# KiCad board d-lev-main-rounded.kicad_pcb (continued)
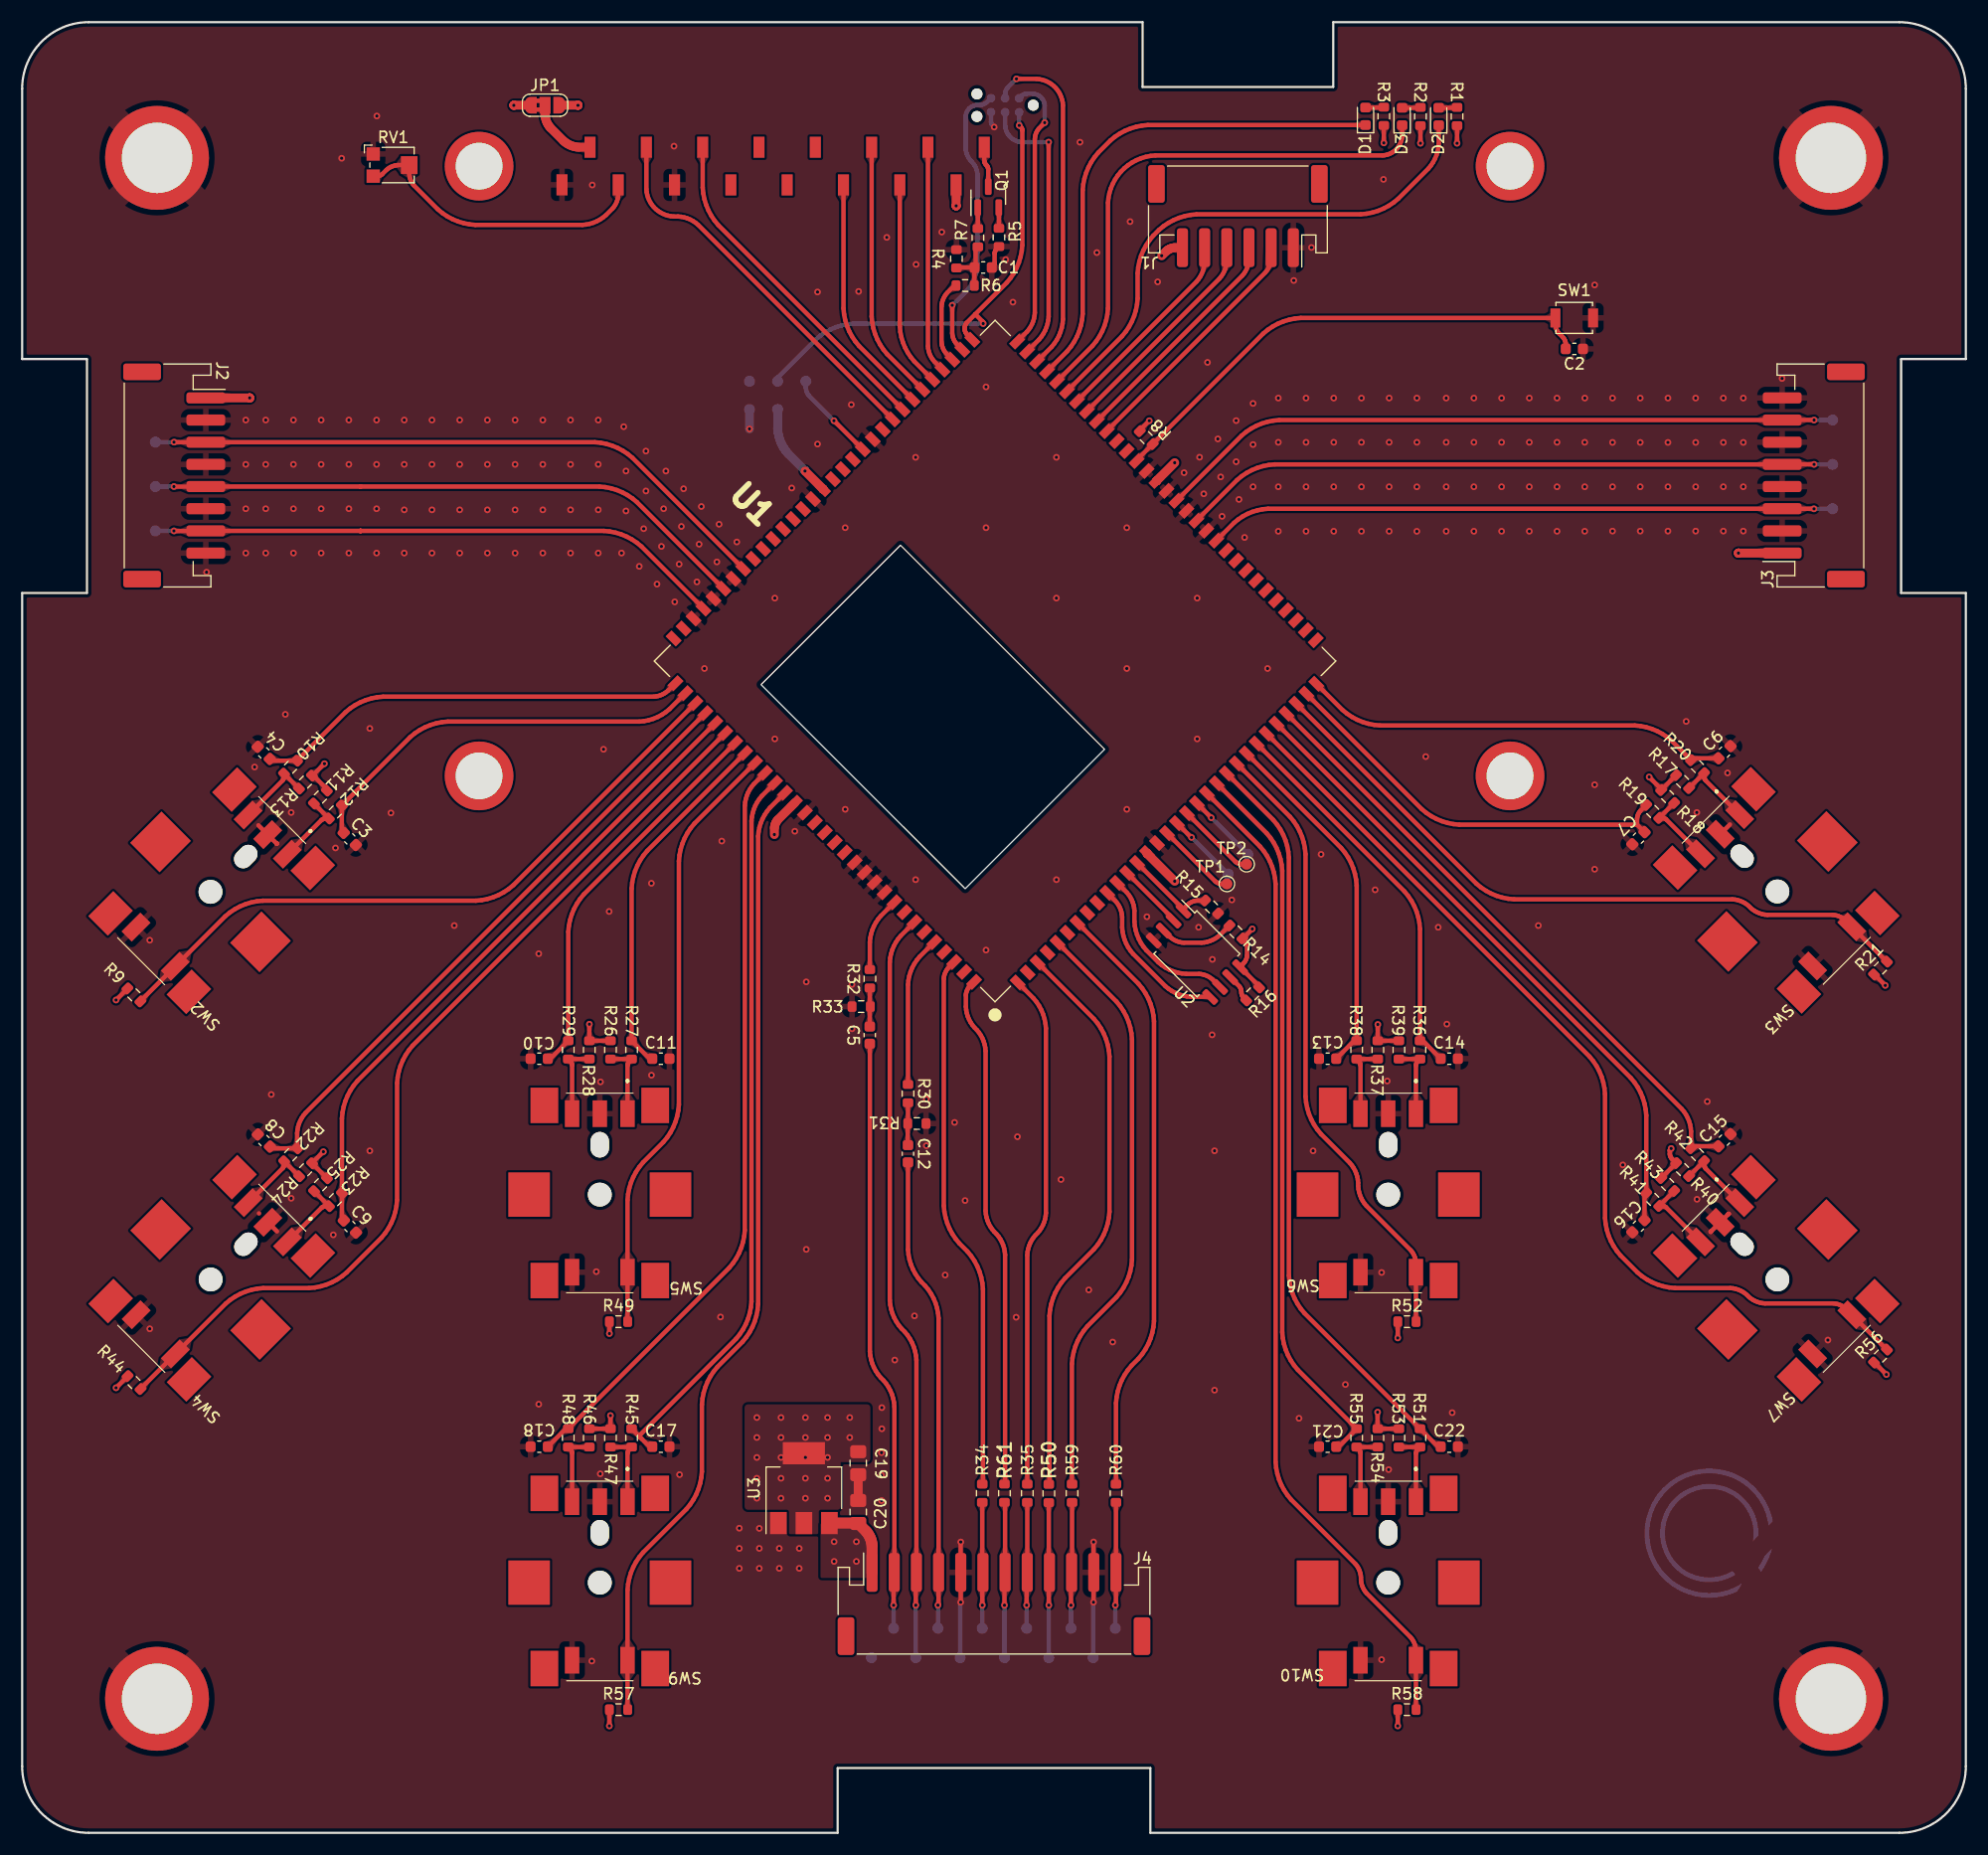
[diagram p0: board, top side]
## Nets
+2V5: J5.1 TP3.1 U1.63
+3V3: C19.1 JP1.1 R1.2 R2.2 R3.2 R8.2 R9.1 R11.1 R13.1 R14.2 R16.2 R17.1 R18.1 R21.1 R24.1 R25.1 R26.1 R28.1 R37.1 R39.1 R40.1 R43.1 R44.1 R46.1 R47.1 R49.1 R52.1 R53.1 R54.1 R56.1 R57.1 R58.1 TP7.1 U1.14 U1.48 U1.78 U1.106 U2.8 U3.2
GND: C1.2 C2.2 C3.2 C4.2 C6.2 C7.2 C8.2 C9.2 C10.2 C11.2 C13.2 C14.2 C15.2 C16.2 C17.2 C18.2 C19.2 C20.2 C21.2 C22.2 DS1.1 DS1.5 H1.1 H2.1 H7.1 H8.1 J1.1 J2.2 J2.4 J2.6 J2.8 J3.2 J3.4 J3.6 J3.8 J4.5 J4.11 J5.5 R4.1 R5.1 R15.2 R31.1 R33.1 RV1.1 SW1.2 SW2.C SW2.S2 SW3.C SW3.S2 SW4.C SW4.S2 SW5.C SW5.S2 SW6.C SW6.S2 SW7.C SW7.S2 SW9.C SW9.S2 SW10.C SW10.S2 TP5.1 TP14.1 TP20.1 U1.15 U1.43 U1.45 U1.47 U1.49 U1.73 U1.79 U1.87 U1.89 U1.91 U1.107 U1.112 U1.113 U1.114 U1.115 U2.4 U3.1
VDD: C20.1 DS1.15 J1.6 J2.1 J3.1 J4.1 JP1.3 TP4.1 TP10.1 U3.3
/encoder1/A1: R23.2 R25.2 SW4.A
/encoder1/B1: R22.2 R24.2 SW4.B
/encoder2/A1: R26.2 R27.2 SW5.A
/encoder2/B1: R28.2 R29.2 SW5.B
/encoder3/A1: R45.2 R47.2 SW9.A
/encoder3/B1: R46.2 R48.2 SW9.B
/encoder4/A1: R17.2 R20.2 SW3.A
/encoder4/B1: R18.2 R19.2 SW3.B
/encoder5/A1: R40.2 R42.2 SW7.A
/encoder5/B1: R41.2 R43.2 SW7.B
/encoder6/A1: R36.2 R39.2 SW6.A
/encoder6/B1: R37.2 R38.2 SW6.B
/encoder7/A1: R51.2 R53.2 SW10.A
/encoder7/B1: R54.2 R55.2 SW10.B
/encoder/A1: R11.2 R12.2 SW2.A
/encoder/B1: R10.2 R13.2 SW2.B
/FPGA/enc_1.a: C3.1 R12.1 U1.95
/FPGA/enc_1.b: C4.1 R10.1 U1.94
/FPGA/enc_1.s: R9.2 SW2.S1 U1.96
/FPGA/enc_2.a: C9.1 R23.1 U1.98
/FPGA/enc_2.b: C8.1 R22.1 U1.97
/FPGA/enc_2.s: R44.2 SW4.S1 U1.99
/FPGA/enc_3.a: C11.1 R27.1 U1.101
/FPGA/enc_3.b: C10.1 R29.1 U1.100
/FPGA/enc_3.s: R49.2 SW5.S1 U1.102
/FPGA/enc_4.a: C17.1 R45.1 U1.104
/FPGA/enc_4.b: C18.1 R48.1 U1.103
/FPGA/enc_4.s: R57.2 SW9.S1 U1.105
/FPGA/enc_5.a: C6.1 R20.1 U1.31
/FPGA/enc_5.b: C7.1 R19.1 U1.30
/FPGA/enc_5.s: R21.2 SW3.S1 U1.29
/FPGA/enc_6.a: C15.1 R42.1 U1.28
/FPGA/enc_6.b: C16.1 R41.1 U1.27
/FPGA/enc_6.s: R56.2 SW7.S1 U1.26
/FPGA/enc_7.a: C14.1 R36.1 U1.25
/FPGA/enc_7.b: C13.1 R38.1 U1.24
/FPGA/enc_7.s: R52.2 SW6.S1 U1.23
/FPGA/enc_8.a: C22.1 R51.1 U1.22
/FPGA/enc_8.b: C21.1 R55.1 U1.21
/FPGA/enc_8.s: R58.2 SW10.S1 U1.20
/FPGA/gpio_i2: TP9.1 U1.19
/FPGA/gpio_i3: TP2.1 U1.18
/FPGA/gpio_o2: TP8.1 U1.17
/FPGA/gpio_o3: TP1.1 U1.16
/FPGA/lcd.data0: DS1.11 U1.69
/FPGA/lcd.data1: DS1.12 U1.68
/FPGA/lcd.data2: DS1.13 U1.67
/FPGA/lcd.data3: DS1.14 U1.66
/FPGA/lcd.e: DS1.6 U1.70
/FPGA/lcd.pwm: R6.1 U1.65
/FPGA/lcd.rs: DS1.4 U1.71
/FPGA/led1: D2.1 U1.57
/FPGA/led2: D3.1 U1.58
/FPGA/led3: D1.1 U1.59
/FPGA/mem_spi.cl: U1.11 U2.6
/FPGA/mem_spi.cs: R15.1 U1.13 U2.1
/FPGA/mem_spi.di: U1.10 U2.5
/FPGA/mem_spi.do: U1.12 U2.2
/FPGA/pitch.quad: J2.3 TP27.1 U1.86
/FPGA/pitch.sq: J2.5 TP26.1 U1.88
/FPGA/pitch.zero: J2.7 TP25.1 U1.90
/FPGA/TCK: J5.4 U1.60
/FPGA/TDI: J5.3 U1.61
/FPGA/TDO: J5.6 U1.64
/FPGA/TMS: J5.2 U1.62
/FPGA/tuner.le: J1.3 U1.54
/FPGA/tuner.oe: J1.2 U1.53
/FPGA/tuner.scl: J1.5 U1.56
/FPGA/tuner.sda: J1.4 U1.55
/FPGA/vol.quad: J3.3 TP24.1 U1.42
/FPGA/vol.sq: J3.5 TP23.1 U1.44
/FPGA/vol.zero: J3.7 TP22.1 U1.46
/FPGA/~{reset}: C2.1 R8.1 SW1.1 U1.50
/LCD/backlight_cathode: DS1.16 Q1.3
/LCD/VLCD: DS1.2 JP1.2
/spdif_tx_0: R30.1 U1.120
/spdif_tx_1: R32.1 U1.116
acal_btn: R50.2 U1.3
midi_in: R60.2 U1.7
midi_out: R59.2 U1.5
mute_btn: R61.2 U1.124
mute_led: J4.3 TP12.1 U1.118
spdif_line: C12.2 J4.4 TP13.1
spdif_mon: C5.2 J4.2 TP11.1
uart_rx: R35.2 U1.1
uart_tx: R34.2 U1.122
Net-(C1-Pad1): C1.1 R4.2 R6.2 R7.1
Net-(C5-Pad1): C5.1 R32.2 R33.2
Net-(C12-Pad1): C12.1 R30.2 R31.2
Net-(D1-A): D1.2 R3.1
Net-(D2-A): D2.2 R1.1
Net-(D3-A): D3.2 R2.1
Net-(DS1-V0): DS1.3 RV1.2 RV1.3
Net-(J4-Pin_6): J4.6 R34.1 TP15.1
Net-(J4-Pin_7): J4.7 R61.1 TP16.1
Net-(J4-Pin_8): J4.8 R35.1 TP17.1
Net-(J4-Pin_9): J4.9 R50.1 TP18.1
Net-(J4-Pin_10): J4.10 R59.1 TP19.1
Net-(J4-Pin_12): J4.12 R60.1 TP21.1
Net-(Q1-B): Q1.1 R7.2
Net-(Q1-E): Q1.2 R5.2
Net-(U1-VDD1.2): TP6.1 U1.74
Net-(U2-~{HOLD}): R16.1 U2.7
Net-(U2-~{WP}): R14.1 U2.3

Pads without a net: DS1 7 8 9 10; H3 1; H4 1; H5 1; H6 1; J1 MP1 MP2; J2 MP1 MP2; J3 MP1 MP2; J4 MP1 MP2; SW2 MP1 MP2 MP3 MP4 MP5 MP6; SW3 MP1 MP2 MP3 MP4 MP5 MP6; SW4 MP1 MP2 MP3 MP4 MP5 MP6; SW5 MP1 MP2 MP3 MP4 MP5 MP6; SW6 MP1 MP2 MP3 MP4 MP5 MP6; SW7 MP1 MP2 MP3 MP4 MP5 MP6; SW9 MP1 MP2 MP3 MP4 MP5 MP6; SW10 MP1 MP2 MP3 MP4 MP5 MP6; U1 2 4 6 8 9 32 33 34 35 36 37 38 39 40 41 51 52 72 75 76 77 80 81 82 83 84 85 92 93 108 109 110 111 117 119 121 123

## Via types
v1: diameter 0.6, hole 0.3, Top to Bottom, 382 vias

## Routing (per net, layer and track width the routed paths; a pad name or vN(x,y) marks a point on that pad's centre or on a via; arc(x,y) is an arc through that point)
+2V5: length 44.5
  Top w0.4: 86.69,136.14 86.69,136.22 86.69,136.23 86.69,136.24 86.68,136.26 86.68,136.27 86.67,136.29 86.66,136.3 86.65,136.31 85.97,136.99 ; 85.97,136.99 85.22,136.24 85.17,136.18 85.13,136.11 85.09,136.04 85.06,135.97 85.04,135.9 85.02,135.82 85.02,135.74 85.02,135.67 85.02,135.59 85.04,135.51 85.06,135.44 85.09,135.37 85.13,135.3 85.17,135.23 85.22,135.17 85.71,134.68 ; 85.97,136.99 88.82,139.83 89.16,140.24 89.45,140.69 89.71,141.16 89.91,141.65 90.07,142.17 90.17,142.69 90.22,143.22 90.22,153.56 90.22,153.61 90.21,153.66 90.19,153.7 90.18,153.74 90.15,153.78 90.13,153.82 90.1,153.86 89.94,154.02
  Bottom w0.4: 86.69,136.14 75.01,136.14 74.48,136.09 73.96,135.99 73.45,135.83 72.95,135.63 72.48,135.38 72.04,135.08 71.62,134.74 68.25,131.37 68.23,131.34 68.21,131.31 68.19,131.27 68.17,131.24 68.16,131.2 68.15,131.16 68.15,131.12 68.15,130.94 ; J5.1 89.94,154.02 89.94,154.02
  vias: v1(86.69,136.14) v1(89.94,154.02)
+3V3: length 70.1
  Top w0.4: R3.2 v1(122.83,152.44) ; 9.51,41.18 8.48,40.14 v1(8.47,40.14) ; 122.29,36.45 R53.1 ; 27.5,59.05 26.15,60.4 ; 51.16,71.47 51.16,72.93 v1(51.17,72.94) ; 51.17,71.45 R26.1 ; R1.2 v1(129.44,152.41) ; 110.08,80.68 110.31,80.45 110.35,80.4 110.39,80.34 110.42,80.28 110.45,80.21 110.47,80.15 110.49,80.08 110.49,80.01 110.49,79.16 110.48,79.05 110.46,78.94 110.43,78.84 110.38,78.73 110.34,78.64 110.28,78.56 110.21,78.48 110.14,78.4 110.09,78.32 110.05,78.24 110.03,78.15 110.03,78.06 110.05,77.97 110.09,77.89 110.14,77.82 111.58,76.37 ; 26.13,60.41 27.17,61.44 27.17,61.44 ; v1(122.29,72.92) 122.29,72.91 122.29,71.45 R39.1 ; 52.98,45.04 52.97,45.04 52.97,46.23 ; v1(53.07,37.64) 53.07,37.64 R47.1 51.17,36.45 ; 124.09,46.11 124.09,44.65 v1(124.09,44.64) ; R43.1 149.02,60.23 149.07,60.35 149.07,60.48 149.02,60.6 148.82,60.79 148.77,60.85 148.73,60.91 148.7,60.97 148.67,61.04 148.65,61.11 148.63,61.18 148.63,61.26 148.63,61.53 148.63,61.55 148.63,61.57 148.64,61.59 148.65,61.61 148.66,61.63 148.67,61.64 148.68,61.66 148.75,61.73 ; R18.1 149.2,95.41 ; R2.2 v1(126.13,152.41) ; 27.48,94.15 26.23,95.41 27.26,96.44 v1(27.27,96.44) ; 100.81,126.52 101.68,127.38 ; 124.09,11.11 124.09,9.65 v1(124.09,9.64) ; v1(8.47,75.12) 8.48,75.13 9.51,76.16 ; 52.97,11.11 52.97,9.65 v1(52.97,9.64) ; 122.27,37.95 122.27,37.94 122.27,36.48 ; 147.8,94.2 146.77,95.23 v1(146.77,95.24) ; v1(168.07,76.44) 168.07,76.45 167.03,77.48 ; v1(168.17,41.34) 168.17,41.35 167.13,42.38 ; v1(110.97,81.54) 110.97,81.53 110.13,80.7
  Top w0.8: U1.78 72.24,121.22 v1(70.62,122.84) ; 102.33,121.95 102.33,121.95 v1(103.97,123.59) ; JP1.1 44.37,155.84 44.36,155.84 44.35,155.83 ; v1(103.97,85.84) 101.49,88.32 101.48,88.33 101.48,88.34 101.48,88.35 101.48,88.36 101.48,88.38 ; v1(67.86,90.05) 67.86,90.62 67.87,90.74 67.89,90.86 67.93,90.98 67.97,91.09 68.03,91.2 68.1,91.3 68.17,91.39 69.71,92.93
  Bottom w0.8: v1(70.62,122.84) 70.62,122.86 70.61,122.88 70.61,122.89 70.6,122.89 69.1,124.4 68.87,124.68 68.67,124.98 68.5,125.3 68.36,125.63 68.26,125.98 68.19,126.33 68.15,126.69 68.15,128.4
  vias: v1(27.17,61.44) v1(44.35,155.83) v1(52.97,45.04) v1(66.27,37.46) v1(66.27,35.66) v1(66.27,33.86) v1(66.27,31.99) v1(66.27,30.19) v1(68.45,37.46) v1(68.45,35.66) v1(68.45,33.86) v1(68.45,31.99) v1(68.45,30.19) v1(70.65,37.46) v1(70.65,35.66) v1(70.65,33.86) v1(70.65,31.99) v1(70.65,30.19) v1(72.65,37.46) v1(72.65,35.66) v1(72.65,33.86) v1(72.65,31.99) v1(72.65,30.19) v1(74.65,37.46) v1(74.65,35.66) v1(101.68,127.38) v1(122.27,37.95) v1(148.75,61.73)
GND: length 35.5
  Top w0.4: 96.64,23.55 96.64,26.22 96.64,26.23 v1(96.65,26.23) ; SW4.C 22.99,54.25 ; 84.66,20.8 84.67,20.81 J4.5 ; 21.36,55.88 21.36,55.88 ; 153.95,55.83 153.93,55.83 153.92,55.82 153.91,55.82 152.33,54.23 152.33,54.23 ; SW3.C 154.05,90.96 ; v1(84.67,26.23) 84.66,26.22 84.66,23.55 ; C1.2 87.61,141.34 87.64,141.38 87.66,141.41 87.68,141.45 87.7,141.49 87.71,141.53 87.72,141.57 87.72,141.61 87.72,142.46 87.73,142.52 87.74,142.59 87.76,142.65 87.79,142.71 87.82,142.77 87.85,142.82 87.89,142.87 R5.1 ; v1(96.64,20.8) 96.65,20.81 96.65,23.49 ; 21.31,90.88 22.96,89.23 22.96,89.23
  Top w0.8: C20.2 75.42,32.3
  Bottom w0.4: v1(84.66,20.8) 84.63,20.78 84.62,20.76 84.61,20.75 84.61,20.73 84.61,20.72 TP14.1 ; 87.68,153.87 87.52,154.03 87.49,154.07 87.47,154.11 87.44,154.15 87.42,154.2 87.41,154.24 87.4,154.29 87.4,154.34 J5.5 ; v1(96.64,20.8) 96.62,20.79 96.61,20.77 96.61,20.76 96.61,20.75 TP20.1
  Bottom w0.8: 65.61,128.4 65.61,126.64
  vias: v1(11.51,80.52) v1(11.51,45.47) v1(16.63,113.72) v1(20.17,127.44) v1(20.17,123.44) v1(20.17,119.44) v1(20.17,115.44) v1(20.97,96.14) v1(21.97,127.44) v1(21.97,123.44) v1(21.97,119.44) v1(21.97,115.44) v1(22.47,66.6) v1(23.74,100.89) v1(24.27,92.04) v1(24.27,57.24) v1(24.47,127.44) v1(24.47,123.44) v1(24.47,119.44) v1(24.47,115.44) v1(26.97,127.44) v1(26.97,123.44) v1(26.97,119.44) v1(26.97,115.44) v1(28.07,53.94) v1(28.27,88.84) v1(28.82,151.06) v1(29.47,127.44) v1(29.47,123.44) v1(29.47,119.44) v1(29.47,115.44) v1(31.36,99.62) v1(31.36,61.52) v1(31.99,154.87) v1(31.97,127.44) v1(31.97,123.44) v1(31.97,119.44) v1(31.97,115.44) v1(33.27,92) v1(34.47,127.44) v1(34.47,123.44) v1(34.47,119.34) v1(34.47,115.44) v1(36.97,127.44) v1(36.97,123.44) v1(36.97,119.34) v1(36.97,115.44) v1(38.98,81.84) v1(39.47,127.44) v1(39.47,123.44) v1(39.47,119.34) v1(39.47,115.44) v1(41.97,127.44) v1(41.97,123.44) v1(41.97,119.34) v1(41.97,115.44) v1(44.47,127.44) v1(44.47,123.44) v1(44.47,119.34) v1(44.47,115.44) v1(46.6,79.3) v1(46.6,38.66) v1(46.97,127.44) v1(46.97,123.44) v1(46.97,119.34) v1(46.97,115.44) v1(49.47,127.44) v1(49.47,123.44) v1(49.47,119.34) v1(49.47,115.44) v1(51.38,15.49) v1(51.43,148.64) v1(51.79,50.62) v1(51.97,127.44) v1(51.97,123.44) v1(51.97,119.34) v1(51.97,115.44) v1(52.17,67.74) v1(52.15,32.39) v1(52.44,97.74) v1(52.95,83.11) v1(54.07,115.44) v1(54.27,126.84) v1(54.47,122.84) v1(54.47,119.24) v1(55.67,114.24) v1(56.07,117.64) v1(56.27,124.64) v1(56.27,121.04) v1(56.76,85.65) v1(56.77,68.34) v1(57.27,112.64) v1(57.67,116.04) v1(57.87,119.44) v1(58.07,122.84) v1(58.8,152.15) v1(58.87,111.04) v1(59.27,114.44) v1(59.3,32.31) v1(59.47,117.84) v1(59.67,121.24) v1(60.87,112.84) v1(61.07,116.24) v1(61.27,119.64) v1(61.54,105.03) v1(62.67,114.64) v1(62.87,118.04) v1(62.99,46.53) v1(63.11,89.46) v1(64.47,116.44) v1(64.69,27.48) v1(64.69,25.65) v1(64.69,23.85) v1(65.61,126.64) v1(66.5,27.46) v1(66.5,25.65) v1(66.49,23.85) v1(67.89,111.38) v1(67.89,98.68) v1(68.3,25.65) v1(68.3,23.85) v1(69.42,121.31) v1(69.7,90.35) v1(70.09,25.65) v1(70.09,23.85) v1(70.73,76.76) v1(70.73,52.63) v1(71.75,138.99) v1(71.75,125.28) v1(74.24,117.73) v1(74.24,92.33) v1(74.79,128.83) v1(74.85,76.53) v1(74.86,72.53) v1(75.45,139.04) v1(77.55,38.35) v1(77.55,36.45) v1(77.52,34.29) v1(77.52,32.26) v1(77.52,29.97) v1(77.99,143.92) v1(78.72,42.65) v1(80.49,46.63) v1(80.59,124.08) v1(80.59,85.98) v1(80.64,141.48) v1(81.56,66.18) v1(81.56,61.98) v1(82.96,144.4) v1(83.26,50.32) v1(84.11,64.08) v1(85.06,57.04) v1(86.94,130.43) v1(86.94,117.73) v1(86.94,79.63) v1(87.68,153.87) v1(88.72,141.91) v1(89.37,138.08) v1(89.66,46.51) v1(89.78,62.79) v1(93.29,124.08) v1(93.29,111.38) v1(93.29,85.98) v1(93.71,58.93) v1(95.42,152.5) v1(96.22,48.97) v1(96.94,142.55) v1(98.37,44.27) v1(99.64,117.73) v1(99.64,105.03) v1(99.64,92.33) v1(99.94,145.34) v1(101.46,82.64) v1(102.43,139.91) v1(104.81,122.69) v1(105.99,111.38) v1(105.99,98.68) v1(106.12,81.69) v1(106.21,124.09) v1(106.59,120.79) v1(106.93,132.64) v1(107.37,78.79) v1(107.34,71.98) v1(107.56,61.52) v1(107.56,39.93) v1(107.86,125.74) v1(108.11,122.31) v1(108.24,118.76) v1(109.12,84.15) v1(109.51,127.39) v1(109.51,123.68) v1(109.76,120.28) v1(110.27,116.85) v1(111.03,128.94) v1(111.03,125.23) v1(111.03,121.42) v1(112.34,105.03) v1(113.31,129.42) v1(113.31,125.44) v1(113.31,121.42) v1(113.31,117.41) v1(114.71,140.03) v1(115.18,37.39) v1(115.81,129.42) v1(115.81,125.44) v1(115.81,121.42) v1(115.81,117.41) v1(116.31,143) v1(116.45,61.52) v1(117.17,88.27) v1(118.31,129.42) v1(118.31,125.44) v1(118.31,121.42) v1(118.31,117.41) v1(119.37,40.44) v1(120.81,129.42) v1(120.81,125.44) v1(120.81,121.42) v1(120.81,117.41) v1(122.05,85.07) v1(122.63,50.55) v1(122.63,15.62) v1(122.8,149.15) v1(123.14,67.82) v1(123.27,32.77) v1(123.31,129.42) v1(123.31,125.44) v1(123.31,121.42) v1(123.31,117.41) v1(125.81,129.42) v1(125.81,125.44) v1(125.81,121.42) v1(125.81,117.4) v1(126.61,97.08) v1(127.74,81.69) v1(128.46,129.42) v1(128.46,125.44) v1(128.46,121.42) v1(128.46,117.41) v1(128.51,72.95) v1(129,37.9) v1(130.96,129.42) v1(130.96,125.44) v1(130.96,121.42) v1(130.96,117.41) v1(133.46,129.42) v1(133.46,125.44) v1(133.46,121.42) v1(133.46,117.41) v1(135.96,129.42) v1(135.96,125.44) v1(135.96,121.42) v1(135.96,117.41) v1(136.77,81.84) v1(138.46,129.42) v1(138.46,125.44) v1(138.46,121.42) v1(138.46,117.41) v1(140.96,129.42) v1(140.96,125.44) v1(140.96,121.42) v1(140.96,117.41) v1(141.85,139.63) v1(141.85,94.54) v1(141.85,86.92) v1(143.46,129.42) v1(143.46,125.42) v1(143.46,121.42) v1(143.46,117.42) v1(144.39,60.25) v1(145.96,129.42) v1(145.96,125.42) v1(145.96,121.42) v1(145.96,117.42) v1(148.46,129.42) v1(148.46,125.42) v1(148.46,121.42) v1(148.46,117.42) v1(150.1,100.26) v1(150.96,129.42) v1(150.96,125.42) v1(150.96,121.42) v1(150.96,117.42) v1(151.07,92.04) v1(151.08,57.15) v1(152.01,65.97) v1(153.46,129.42) v1(153.46,125.42) v1(153.46,121.42) v1(153.46,117.42) v1(153.84,95.61) v1(155.26,129.42) v1(155.26,125.42) v1(155.26,121.42) v1(155.26,117.42) v1(158.76,131.19) v1(162.89,44.45)
VDD: length 21
  Top w0.8: 84.25,146.76 84.25,146.77 84.25,148.65 ; v1(20.52,129.44) 20.52,129.44 16.58,129.44 ; J1.6 103.97,142.99 103.85,142.98 103.73,142.96 103.62,142.92 103.5,142.87 103.4,142.82 103.3,142.75 103.2,142.67 102.8,142.27 ; J3.1 154.82,115.44 v1(154.82,115.44) ; v1(50.14,155.83) 50.13,155.84 50.12,155.84 JP1.3
  Top w1: 75.42,27.9 76.12,27.2 76.25,27.04 76.37,26.87 76.46,26.68 76.54,26.49 76.61,26.29 76.65,26.08 76.67,25.88 J4.1 ; U3.3 75.38,27.94
  vias: v1(73.24,26.26) v1(73.24,24.48) v1(75.25,26.26) v1(75.25,24.48) v1(84.25,146.76) v1(102.79,142.27)
/encoder1/A1: length 6.7
  Top w0.4: R25.2 27.5,56.71 27.52,56.68 27.53,56.65 27.52,56.62 27.51,56.59 27.49,56.56 27.46,56.54 27.43,56.53 27.37,56.53 27.32,56.53 27.27,56.52 27.22,56.51 27.15,56.47 27.09,56.45 27.04,56.41 26.99,56.37 SW4.A
/encoder1/B1: length 6.7
  Top w0.4: 24.98,59.23 23.8,60.41 23.77,60.43 23.74,60.43 23.71,60.43 23.69,60.42 23.66,60.4 23.65,60.38 23.64,60.35 23.64,60.28 23.63,60.24 23.62,60.19 23.61,60.15 23.58,60.08 23.55,60.03 23.52,59.98 23.48,59.93 SW4.B
/encoder2/A1: length 6.7
  Top w0.4: R26.2 54.73,69.8 54.76,69.79 54.79,69.77 54.81,69.75 54.82,69.72 54.82,69.69 54.82,69.66 54.8,69.63 54.76,69.58 54.72,69.54 54.7,69.5 54.67,69.46 54.64,69.38 54.63,69.32 54.61,69.26 54.61,69.2 SW5.A
/encoder2/B1: length 6.7
  Top w0.4: 51.17,69.8 49.49,69.8 49.46,69.79 49.44,69.77 49.42,69.75 49.41,69.72 49.4,69.69 49.41,69.66 49.42,69.64 49.47,69.59 49.5,69.56 49.52,69.52 49.54,69.48 49.57,69.41 49.59,69.35 49.6,69.3 49.61,69.24 SW5.B
/encoder3/A1: length 6.7
  Top w0.4: R47.2 54.73,34.8 54.76,34.79 54.79,34.77 54.81,34.75 54.82,34.72 54.82,34.69 54.82,34.66 54.8,34.63 54.76,34.58 54.72,34.54 54.7,34.5 54.67,34.46 54.64,34.38 54.63,34.32 54.61,34.26 54.61,34.2 SW9.A
/encoder3/B1: length 6.7
  Top w0.4: SW9.B 49.61,34.24 49.6,34.3 49.59,34.35 49.57,34.41 49.54,34.48 49.52,34.52 49.5,34.56 49.47,34.59 49.42,34.64 49.41,34.66 49.4,34.69 49.41,34.72 49.42,34.75 49.44,34.77 49.46,34.79 49.49,34.8 51.17,34.8
/encoder4/A1: length 6.7
  Top w0.4: R17.2 151.54,95.42 151.57,95.43 151.6,95.44 151.63,95.44 151.66,95.42 151.69,95.4 151.7,95.38 151.71,95.35 151.71,95.28 151.72,95.23 151.73,95.18 151.74,95.14 151.77,95.06 151.8,95.01 151.84,94.96 151.88,94.91 SW3.A
/encoder4/B1: length 6.7
  Top w0.4: 151.4,88.31 148.31,91.4 148.27,91.44 148.22,91.47 148.17,91.49 148.1,91.52 148.06,91.54 148.01,91.55 147.97,91.55 147.9,91.55 147.87,91.56 147.85,91.58 147.83,91.6 147.82,91.63 147.82,91.66 147.82,91.69 147.84,91.71 149.02,92.9
/encoder5/A1: length 6.7
  Top w0.4: R40.2 151.54,60.42 151.57,60.43 151.6,60.44 151.63,60.44 151.66,60.42 151.69,60.4 151.7,60.38 151.71,60.35 151.71,60.28 151.72,60.23 151.73,60.18 151.74,60.14 151.77,60.06 151.8,60.01 151.84,59.96 151.88,59.91 SW7.A
/encoder5/B1: length 6.7
  Top w0.4: 151.4,53.31 148.31,56.4 148.27,56.44 148.22,56.47 148.17,56.49 148.1,56.52 148.06,56.54 148.01,56.55 147.97,56.55 147.9,56.55 147.87,56.56 147.85,56.58 147.83,56.6 147.82,56.63 147.82,56.66 147.82,56.69 147.84,56.71 149.02,57.9
/encoder6/A1: length 6.7
  Top w0.4: R39.2 125.85,69.8 125.88,69.79 125.91,69.77 125.93,69.75 125.94,69.72 125.94,69.69 125.94,69.66 125.92,69.63 125.88,69.58 125.84,69.54 125.82,69.5 125.79,69.46 125.76,69.38 125.75,69.32 125.73,69.26 125.73,69.2 SW6.A
/encoder6/B1: length 6.7
  Top w0.4: SW6.B 120.73,69.24 120.72,69.3 120.71,69.35 120.69,69.41 120.66,69.48 120.64,69.52 120.62,69.56 120.59,69.59 120.54,69.64 120.53,69.66 120.52,69.69 120.53,69.72 120.54,69.75 120.56,69.77 120.58,69.79 120.61,69.8 122.29,69.8
/encoder7/A1: length 6.7
  Top w0.4: SW10.A 125.73,34.2 125.73,34.26 125.75,34.32 125.76,34.38 125.79,34.46 125.82,34.5 125.84,34.54 125.88,34.58 125.92,34.63 125.94,34.66 125.94,34.69 125.94,34.72 125.93,34.75 125.91,34.77 125.88,34.79 125.85,34.8 R53.2
/encoder7/B1: length 6.7
  Top w0.4: SW10.B 120.73,34.24 120.72,34.3 120.71,34.35 120.69,34.41 120.66,34.48 120.64,34.52 120.62,34.56 120.59,34.59 120.54,34.64 120.53,34.66 120.52,34.69 120.53,34.72 120.54,34.75 120.56,34.77 120.58,34.79 120.61,34.8 122.29,34.8
/encoder/A1: length 6.7
  Top w0.4: 26.32,92.85 27.49,91.68 27.51,91.65 27.51,91.62 27.51,91.58 27.5,91.55 27.48,91.53 27.45,91.51 27.42,91.5 27.35,91.5 27.3,91.5 27.26,91.49 27.21,91.47 27.13,91.44 27.08,91.41 27.03,91.38 26.98,91.34 23.92,88.28
/encoder/B1: length 6.7
  Top w0.4: 20.38,91.81 23.47,94.9 23.51,94.95 23.54,95 23.57,95.05 23.6,95.12 23.61,95.16 23.62,95.21 23.62,95.25 23.62,95.31 23.63,95.34 23.65,95.37 23.67,95.39 23.7,95.4 23.73,95.4 23.76,95.4 23.79,95.38 R13.2
/FPGA/enc_1.a: length 37.1
  Top w0.4: 59.83,102.8 58.4,101.37 58.06,101.1 57.71,100.86 57.33,100.66 56.93,100.49 56.52,100.37 56.1,100.28 55.67,100.24 38.39,100.24 37.86,100.19 37.33,100.08 36.82,99.93 36.33,99.73 35.86,99.47 35.41,99.18 35,98.84 R12.1 28.83,90.38
/FPGA/enc_1.b: length 39
  Top w0.4: 22.5,96.71 24.79,96.71 29.16,101.08 29.58,101.42 30.02,101.72 30.49,101.97 30.99,102.18 31.5,102.33 32.02,102.44 32.56,102.49 56.96,102.49 57.16,102.51 57.36,102.55 57.56,102.61 57.75,102.69 57.93,102.78 58.1,102.89 58.25,103.02 58.93,103.7
/FPGA/enc_1.s: length 60.7
  Top w0.4: 60.73,101.91 44.31,85.49 43.9,85.15 43.45,84.85 42.98,84.6 42.49,84.4 41.98,84.24 41.45,84.14 40.92,84.08 21.71,84.08 21.18,84.03 20.65,83.93 20.14,83.77 19.65,83.57 19.18,83.32 18.73,83.02 18.32,82.68 10.66,75.02
/FPGA/enc_2.a: length 58.4
  Top w0.4: 62.52,100.11 30.25,67.84 29.91,67.42 29.61,66.98 29.36,66.51 29.16,66.01 29,65.5 28.9,64.98 28.84,64.44 R23.1 28.84,55.41
/FPGA/enc_2.b: length 56.7
  Top w0.4: 22.52,61.74 R22.1 24.8,63.11 24.83,63.4 24.89,63.68 24.97,63.96 25.08,64.23 25.22,64.48 25.38,64.72 25.56,64.95 61.63,101.01
/FPGA/enc_2.s: length 84.8
  Top w0.4: 10.68,40.06 SW4.S1 18.36,47.74 18.77,48.08 19.22,48.37 19.69,48.63 20.18,48.83 20.69,48.98 21.22,49.09 21.75,49.14 25.88,49.14 26.41,49.19 26.94,49.3 27.45,49.45 27.94,49.66 28.41,49.91 28.86,50.21 29.27,50.55 32.41,53.69 32.75,54.1 33.05,54.55 33.3,55.02 33.51,55.51 33.66,56.02 33.77,56.55 33.82,57.08 33.82,67.62 33.87,68.15 33.98,68.68 34.13,69.19 34.34,69.68 34.59,70.16 34.88,70.6 35.22,71.01 63.42,99.21
/FPGA/enc_3.a: length 32.3
  Top w0.4: 56.59,69.83 54.98,71.45 54.98,85.19 55.03,85.72 55.13,86.24 55.29,86.76 55.49,87.25 55.74,87.72 56.04,88.17 56.38,88.58 65.22,97.42
/FPGA/enc_3.b: length 35.2
  Top w0.4: 64.32,98.31 50.67,84.66 50.33,84.25 50.03,83.8 49.78,83.33 49.57,82.84 49.42,82.33 49.31,81.8 49.26,81.27 R29.1 47.64,69.83
/FPGA/enc_3.s: length 54.5
  Top w0.4: 66.12,96.52 60.65,91.05 60.31,90.64 60.01,90.19 59.76,89.72 59.55,89.23 59.4,88.71 59.29,88.19 59.24,87.66 59.24,65.7 59.19,65.17 59.09,64.64 58.93,64.13 58.73,63.64 58.47,63.16 58.18,62.72 57.84,62.31 56.01,60.48 55.67,60.07 55.38,59.62 55.12,59.15 54.92,58.66 54.76,58.15 54.66,57.62 54.61,57.09 SW5.S1 54.61,46.13
/FPGA/enc_4.a: length 66.2
  Top w0.4: 67.91,94.72 66.72,93.53 66.5,93.26 66.3,92.96 66.13,92.65 66,92.32 65.89,91.98 65.82,91.63 65.79,91.27 65.79,47.94 65.74,47.4 65.63,46.88 65.48,46.37 65.27,45.87 65.02,45.4 64.72,44.96 64.38,44.54 55.74,35.9 55.73,35.88 55.72,35.87 55.71,35.86 55.71,35.84 55.7,35.83 55.7,35.82 55.7,35.8 55.7,35.79 55.7,35.77 55.7,35.76 55.71,35.74 55.71,35.73 55.72,35.71 55.73,35.7 55.74,35.69 55.89,35.54 ; 56.59,34.83 54.98,36.45
/FPGA/enc_4.b: length 68.4
  Top w0.4: R48.1 63.78,50.97 64.12,51.39 64.42,51.83 64.67,52.3 64.88,52.8 65.03,53.31 65.14,53.83 65.19,54.36 65.19,92.66 65.22,92.96 65.28,93.26 65.37,93.55 65.48,93.84 65.63,94.11 65.8,94.36 65.99,94.6 67.01,95.62 ; 49.03,36.45 C18.1
/FPGA/enc_4.s: length 87.5
  Top w0.4: 68.81,93.82 67.46,92.47 67.2,92.16 66.97,91.82 66.78,91.46 66.62,91.08 66.51,90.69 66.43,90.3 66.39,89.89 66.39,47.69 66.34,47.15 66.23,46.63 66.08,46.12 65.87,45.62 65.62,45.15 65.32,44.71 64.98,44.3 62.72,42.03 62.38,41.62 62.09,41.18 61.83,40.71 61.63,40.21 61.47,39.7 61.37,39.18 61.32,38.64 61.32,32.59 61.26,32.05 61.16,31.53 61.01,31.02 60.8,30.52 60.55,30.05 60.25,29.61 59.91,29.2 56.01,25.29 55.67,24.88 55.38,24.44 55.12,23.97 54.92,23.47 54.76,22.96 54.66,22.44 54.61,21.9 SW9.S1 54.61,11.13
/FPGA/enc_5.a: length 38.5
  Top w0.4: U1.31 119.1,101.3 119.51,100.96 119.95,100.66 120.43,100.41 120.92,100.2 121.43,100.05 121.96,99.94 122.49,99.89 145.46,99.89 145.98,99.84 146.5,99.74 147,99.59 147.49,99.38 147.95,99.14 148.39,98.84 148.8,98.51 R20.1 ; 153.01,96.93 150.72,96.93
/FPGA/enc_5.b: length 37.5
  Top w0.4: 146.51,92.72 145.97,92.18 145.9,92.09 145.84,92 145.78,91.9 145.74,91.8 145.71,91.69 145.69,91.58 145.67,91.47 145.67,90.94 ; U1.30 126.25,92.35 126.66,92.01 127.11,91.71 127.58,91.46 128.07,91.25 128.59,91.1 129.11,90.99 129.64,90.94 145.67,90.94 ; 145.67,90.94 146.35,90.27
/FPGA/enc_5.s: length 62.4
  Top w0.4: 168.19,78.59 164.45,82.33 164.31,82.45 164.16,82.55 164.01,82.63 163.84,82.7 163.67,82.75 163.49,82.79 163.31,82.8 157.43,82.8 157.2,82.83 156.97,82.87 156.74,82.94 156.52,83.03 156.31,83.14 156.12,83.27 155.93,83.42 155.77,83.59 155.59,83.74 155.39,83.87 155.18,83.98 154.96,84.07 154.74,84.14 154.51,84.19 154.27,84.21 134.58,84.21 134.05,84.26 133.52,84.37 133.01,84.52 132.52,84.73 132.04,84.98 131.6,85.28 131.19,85.62 U1.29
/FPGA/enc_6.a: length 56.5
  Top w0.4: R42.1 150.55,63.27 150.52,63.59 150.45,63.9 150.36,64.21 150.24,64.5 150.09,64.79 149.91,65.05 149.71,65.3 U1.28 ; 153.01,61.93 150.72,61.93
/FPGA/enc_6.b: length 58.2
  Top w0.4: 146.35,55.27 146.35,57.56 ; U1.27 145.1,68.11 145.44,67.69 145.74,67.25 145.99,66.78 146.19,66.28 146.35,65.77 146.45,65.25 146.51,64.72 146.51,57.72
/FPGA/enc_6.s: length 86.9
  Top w0.4: 168.19,43.59 164.48,47.3 164.35,47.41 164.21,47.51 164.06,47.59 163.9,47.65 163.73,47.7 163.57,47.74 163.4,47.75 157.22,47.75 156.98,47.77 156.76,47.82 156.53,47.89 156.32,47.98 156.11,48.09 155.92,48.22 155.74,48.36 155.57,48.53 155.39,48.68 155.2,48.81 154.99,48.92 154.78,49.01 154.56,49.07 154.33,49.12 154.09,49.14 149.11,49.14 148.57,49.19 148.05,49.3 147.54,49.45 147.04,49.66 146.57,49.91 146.13,50.21 145.72,50.55 144.19,52.07 143.85,52.49 143.55,52.93 143.3,53.4 143.1,53.9 142.94,54.41 142.84,54.93 142.79,55.46 142.79,66.64 142.73,67.17 142.63,67.7 142.47,68.21 142.27,68.7 142.02,69.17 141.72,69.62 141.38,70.03 U1.26
/FPGA/enc_7.a: length 35
  Top w0.4: 126.1,71.45 126.1,81.53 126.04,82.07 125.94,82.59 125.78,83.1 125.58,83.6 125.33,84.07 125.03,84.51 124.69,84.93 U1.25 ; 126.34,71.45 127.96,69.83
/FPGA/enc_7.b: length 32.1
  Top w0.4: R38.1 120.38,85.45 120.33,85.99 120.22,86.51 120.07,87.02 119.86,87.52 119.61,87.99 119.32,88.43 118.98,88.84 110.46,97.36 ; 120.15,71.45 C13.1
/FPGA/enc_7.s: length 56.3
  Top w0.4: 109.56,96.47 114.36,91.66 114.7,91.25 115,90.8 115.25,90.33 115.46,89.84 115.61,89.33 115.71,88.8 115.77,88.27 115.77,66.42 115.82,65.88 115.92,65.36 116.08,64.85 116.28,64.35 116.54,63.88 116.83,63.44 117.17,63.03 119.77,60.42 119.95,60.2 120.11,59.97 120.24,59.72 120.35,59.46 120.43,59.19 120.49,58.91 120.52,58.63 120.52,58.35 120.54,58.07 120.6,57.79 120.68,57.52 120.79,57.26 120.92,57.01 121.08,56.77 121.26,56.55 125.25,52.56 125.37,52.42 125.47,52.27 125.55,52.11 125.62,51.95 125.67,51.77 125.71,51.6 125.73,51.42 125.73,46.13
/FPGA/enc_8.a: length 68.2
  Top w0.4: 127.71,34.83 115.67,46.88 115.33,47.29 115.03,47.73 114.78,48.2 114.58,48.7 114.42,49.21 114.32,49.73 114.27,50.27 114.27,87.98 114.21,88.51 114.11,89.03 113.95,89.54 113.75,90.04 113.5,90.51 113.2,90.95 112.86,91.37 108.66,95.57
/FPGA/enc_8.b: length 65.3
  Top w0.4: 118.76,34.83 R55.1 115.07,41.76 114.73,42.17 114.44,42.62 114.18,43.09 113.98,43.58 113.82,44.09 113.72,44.62 113.67,45.15 113.67,86.78 113.61,87.31 113.51,87.84 113.35,88.35 113.15,88.84 112.9,89.31 112.6,89.76 112.26,90.17 107.76,94.67
/FPGA/enc_8.s: length 89.8
  Top w0.4: 125.73,11.13 125.73,16.46 125.71,16.65 125.67,16.83 125.62,17.01 125.54,17.19 125.46,17.36 125.35,17.51 125.23,17.66 121.28,21.61 121.15,21.76 121.05,21.92 120.95,22.09 120.88,22.27 120.82,22.46 120.79,22.65 120.77,22.84 120.77,23.04 120.75,23.23 120.71,23.42 120.65,23.61 120.58,23.79 120.49,23.96 120.38,24.12 120.26,24.27 114.47,30.06 114.13,30.47 113.84,30.91 113.58,31.39 113.38,31.88 113.22,32.39 113.12,32.91 113.07,33.45 113.07,85.58 113.01,86.12 112.91,86.64 112.76,87.15 112.55,87.65 112.3,88.12 112,88.56 111.66,88.97 106.86,93.77
/FPGA/gpio_i2: length 6.5
  Top w0.4: 105.97,92.87 107.26,91.58 107.27,91.57 107.27,91.57
  Bottom w0.4: 110.57,88.27 107.27,91.57
  vias: v1(107.26,91.57)
/FPGA/gpio_i3: length 7.3
  Top w0.4: 105.07,91.98 109.42,87.62 109.49,87.56 109.57,87.51 109.65,87.47 109.74,87.43 109.83,87.4 109.92,87.39 110.01,87.38 110.45,87.38
/FPGA/gpio_o2: length 6.5
  Top w0.4: 105.49,89.79 105.47,89.79 105.46,89.79 105.45,89.8 104.17,91.08
  Bottom w0.4: 108.79,86.49 105.49,89.79
  vias: v1(105.49,89.79)
/FPGA/gpio_o3: length 7.3
  Top w0.4: 103.27,90.18 107.6,85.86 107.67,85.79 107.75,85.74 107.84,85.69 107.93,85.66 108.02,85.63 108.12,85.61 108.22,85.6 108.68,85.6
/FPGA/lcd.data0: length 21.7
  Top w0.4: U1.69 75.49,134.12 75.15,134.54 74.86,134.98 74.6,135.45 74.4,135.95 74.24,136.46 74.14,136.98 74.09,137.52 74.09,148.65
/FPGA/lcd.data1: length 23.5
  Top w0.4: 76.63,152.05 76.63,136.77 76.68,136.24 76.78,135.72 76.94,135.2 77.14,134.71 77.4,134.24 77.69,133.79 78.03,133.38 U1.68
/FPGA/lcd.data2: length 18.6
  Top w0.4: U1.67 80.47,132.74 80.15,133.12 79.88,133.53 79.65,133.97 79.46,134.43 79.31,134.9 79.22,135.39 79.17,135.88 79.17,148.65
/FPGA/lcd.data3: length 20.5
  Top w0.4: 81.71,152.05 81.71,134.11 81.73,133.89 81.77,133.68 81.84,133.47 81.92,133.27 82.02,133.07 82.15,132.89 82.28,132.72 83.02,131.99
/FPGA/lcd.e: length 30.9
  Top w0.4: 61.39,152.05 61.39,148.42 61.44,147.89 61.54,147.36 61.7,146.85 61.9,146.36 62.16,145.89 62.45,145.44 62.79,145.03 U1.70
/FPGA/lcd.pwm: length 7.4
  Top w0.4: 84.1,139.57 83.44,138.92 83.32,138.77 83.21,138.61 83.12,138.44 83.05,138.26 82.99,138.07 82.95,137.88 82.93,137.69 82.93,134.48 82.95,134.32 82.98,134.15 83.03,134 83.09,133.85 83.17,133.7 83.26,133.56 83.36,133.44 83.91,132.89
/FPGA/lcd.rs: length 34.8
  Top w0.4: U1.71 60.97,145.06 60.75,145.24 60.51,145.4 60.26,145.53 60,145.64 59.72,145.72 59.45,145.78 59.16,145.81 58.77,145.81 58.51,145.83 58.26,145.88 58.02,145.95 57.79,146.05 57.56,146.17 57.35,146.31 57.15,146.47 56.98,146.65 56.81,146.85 56.67,147.06 56.55,147.28 56.46,147.52 56.38,147.76 56.33,148.01 56.31,148.26 56.31,152.05
/FPGA/led1: length 47.8
  Top w0.4: 127.79,154.04 127.79,152.37 127.75,152.02 127.68,151.67 127.58,151.34 127.44,151.01 127.28,150.7 127.08,150.41 126.86,150.13 124.13,147.41 123.72,147.07 123.27,146.77 122.8,146.52 122.31,146.31 121.8,146.16 121.27,146.05 120.74,146 105.94,146 105.41,145.95 104.89,145.84 104.38,145.69 103.88,145.49 103.41,145.23 102.97,144.94 102.55,144.6 102.03,144.07 101.69,143.66 101.39,143.21 101.14,142.74 100.93,142.25 100.78,141.74 100.67,141.21 100.62,140.68 100.62,138.4 100.57,137.87 100.46,137.34 100.31,136.83 100.1,136.34 99.85,135.86 99.56,135.42 99.22,135.01 94.24,130.03
/FPGA/led2: length 48.6
  Top w0.4: 93.34,130.93 96.54,134.13 96.88,134.54 97.18,134.99 97.43,135.46 97.64,135.95 97.79,136.46 97.89,136.99 97.95,137.52 97.95,147.04 97.99,147.48 98.08,147.91 98.2,148.33 98.37,148.74 98.58,149.13 98.83,149.5 99.11,149.84 99.42,150.15 99.76,150.43 100.13,150.68 100.52,150.89 100.93,151.05 101.35,151.18 101.78,151.27 102.22,151.31 122.72,151.31 122.9,151.33 123.08,151.37 123.25,151.42 123.42,151.49 123.58,151.58 123.73,151.68 123.87,151.79 124,151.92 124.12,152.06 124.22,152.21 124.31,152.38 124.38,152.54 124.43,152.72 124.47,152.9 124.48,153.08 124.48,154.04
/FPGA/led3: length 46.1
  Top w0.4: 121.18,154.05 101.55,154.05 101.01,154 100.49,153.9 99.98,153.74 99.48,153.54 99.01,153.29 98.57,152.99 98.15,152.65 97.07,151.57 96.73,151.15 96.44,150.71 96.18,150.24 95.98,149.74 95.82,149.23 95.72,148.71 95.67,148.17 95.67,137.04 95.61,136.5 95.51,135.98 95.36,135.47 95.15,134.97 94.9,134.5 94.6,134.06 94.26,133.64 92.45,131.83
/FPGA/mem_spi.cl: length 14.6
  Top w0.4: 108.05,76.31 107.4,76.96 107.24,77.09 107.08,77.2 106.91,77.29 106.73,77.37 106.54,77.42 106.35,77.46 106.15,77.48 105.01,77.48 104.62,77.52 104.23,77.6 103.85,77.71 103.48,77.86 103.13,78.05 102.8,78.27 102.5,78.52 101.41,79.61 101.15,79.93 100.92,80.27 100.73,80.63 100.57,81.01 100.45,81.4 100.37,81.8 100.33,82.21 100.33,83.17 100.31,83.43 100.26,83.69 100.18,83.94 100.08,84.18 99.96,84.41 99.81,84.62 99.65,84.82 98.78,85.69
/FPGA/mem_spi.cs: length 8.1
  Top w0.4: 104.68,83.27 105.15,83.73 105.26,83.82 105.37,83.9 105.49,83.97 105.62,84.02 105.76,84.06 105.89,84.09 106.03,84.1 R15.1 ; 100.58,87.49 104.68,83.38
/FPGA/mem_spi.di: length 14.6
  Top w0.4: 97.88,84.79 98.63,84.04 98.78,83.87 98.9,83.68 99.01,83.48 99.09,83.28 99.16,83.06 99.2,82.84 99.22,82.62 99.22,81.67 99.26,81.3 99.33,80.93 99.44,80.57 99.59,80.22 99.77,79.89 99.98,79.57 100.21,79.28 103.13,76.37 103.41,76.14 103.71,75.94 104.03,75.77 104.37,75.63 104.72,75.52 105.07,75.45 105.44,75.41 107.15,75.41
/FPGA/mem_spi.do: length 5.8
  Top w0.4: 103.79,82.48 99.68,86.59
/FPGA/pitch.quad: length 57.5
  Top w0.4: U1.86 55.05,124.04 54.63,124.38 54.19,124.67 53.72,124.93 53.22,125.13 52.71,125.28 52.19,125.39 51.66,125.44 J2.3 13.7,125.44
  Bottom w0.4: v1(13.7,125.45) 12.03,125.45 12.02,125.45 12.02,125.44
/FPGA/pitch.sq: length 54.8
  Top w0.4: 16.56,121.43 13.7,121.43 ; U1.88 55.46,120.04 55.04,120.38 54.6,120.67 54.13,120.93 53.63,121.13 53.12,121.28 52.6,121.39 52.06,121.44 30.52,121.44 30.52,121.44 J2.5
  Bottom w0.4: v1(13.69,121.44) TP26.1
/FPGA/pitch.zero: length 52.1
  Top w0.4: U1.90 55.86,116.04 55.45,116.38 55.01,116.67 54.53,116.93 54.04,117.13 53.53,117.28 53,117.39 52.47,117.44 30.52,117.44 30.52,117.44 J2.7 ; 16.56,117.43 13.7,117.43
  Bottom w0.4: v1(13.69,117.44) TP25.1
/FPGA/TCK: length 31.5
  Top w0.4: 91.55,132.73 92.86,134.04 93.11,134.34 93.33,134.67 93.51,135.01 93.66,135.38 93.77,135.75 93.85,136.14 93.89,136.53 93.89,155.83 93.87,156.07 93.82,156.31 93.75,156.55 93.65,156.78 93.53,157 93.4,157.2 93.24,157.39 93.07,157.57 92.88,157.72 92.67,157.86 92.45,157.98 92.22,158.07 91.99,158.14 91.74,158.19 91.5,158.22 89.69,158.22
  Bottom w0.4: J5.4 88.67,156.88 88.68,156.96 88.69,157.04 88.72,157.13 88.75,157.2 88.79,157.28 88.84,157.35 88.89,157.41 89.69,158.22
  vias: v1(89.69,158.22)
/FPGA/TDI: length 25.5
  Top w0.4: 90.65,133.62 91.74,134.71 91.94,134.96 92.13,135.24 92.28,135.52 92.4,135.82 92.5,136.14 92.56,136.46 92.59,136.78 v1(92.59,152.51)
  Bottom w0.4: v1(92.59,152.51) 90.18,152.51 90.02,152.53 89.87,152.56 89.72,152.6 89.58,152.66 89.44,152.74 89.31,152.82 89.19,152.92 89.08,153.03 88.98,153.15 88.89,153.28 88.82,153.42 88.76,153.56 88.71,153.71 88.68,153.87 88.67,154.02 J5.3
/FPGA/TDO: length 25.5
  Top w0.4: 83.9,137.8 83.9,135.27 83.91,135.12 83.94,134.97 83.99,134.82 84.05,134.68 84.12,134.54 84.2,134.42 84.3,134.3 84.81,133.79
  Bottom w0.4: J5.6 87.05,156.13 86.97,156.07 86.89,156.01 86.8,155.96 86.7,155.92 86.6,155.89 86.5,155.87 86.4,155.86 86.16,155.86 86.05,155.85 85.94,155.83 85.84,155.8 85.74,155.76 85.64,155.71 85.55,155.65 85.47,155.58 85.39,155.5 85.32,155.42 85.26,155.33 85.21,155.23 85.17,155.13 85.14,155.02 85.12,154.92 85.11,154.81 85.11,151.96 85.12,151.78 85.16,151.61 85.21,151.43 85.28,151.27 85.37,151.11 85.47,150.96 85.58,150.82 85.71,150.69 85.82,150.55 85.92,150.4 86.01,150.24 86.08,150.07 86.13,149.9 86.17,149.72 86.18,149.54 86.18,141.51 86.15,141.12 86.07,140.75 85.96,140.38 85.81,140.03 85.63,139.69 85.42,139.37 85.18,139.07 83.9,137.8
  vias: v1(83.9,137.8)
/FPGA/TMS: length 25.2
  Top w0.4: 89.75,134.52 90.65,135.42 90.82,135.62 90.96,135.85 91.09,136.08 91.19,136.33 91.27,136.59 91.32,136.85 91.35,137.12 91.35,152.82 91.36,152.97 91.39,153.11 91.44,153.26 91.49,153.4 91.57,153.53 91.65,153.65 91.74,153.77 92.24,154.27
  Bottom w0.4: J5.2 90.16,156.7 90.21,156.74 90.26,156.78 90.32,156.81 90.38,156.83 90.45,156.85 90.51,156.86 90.58,156.87 91.18,156.87 91.29,156.86 91.39,156.84 91.5,156.81 91.6,156.76 91.7,156.71 91.79,156.65 91.88,156.58 91.95,156.5 92.02,156.42 92.08,156.33 92.14,156.23 92.18,156.13 92.21,156.02 92.23,155.91 92.24,155.81 92.24,154.27
  vias: v1(92.24,154.27)
